# KiCad board Stream.kicad_pcb (continued)
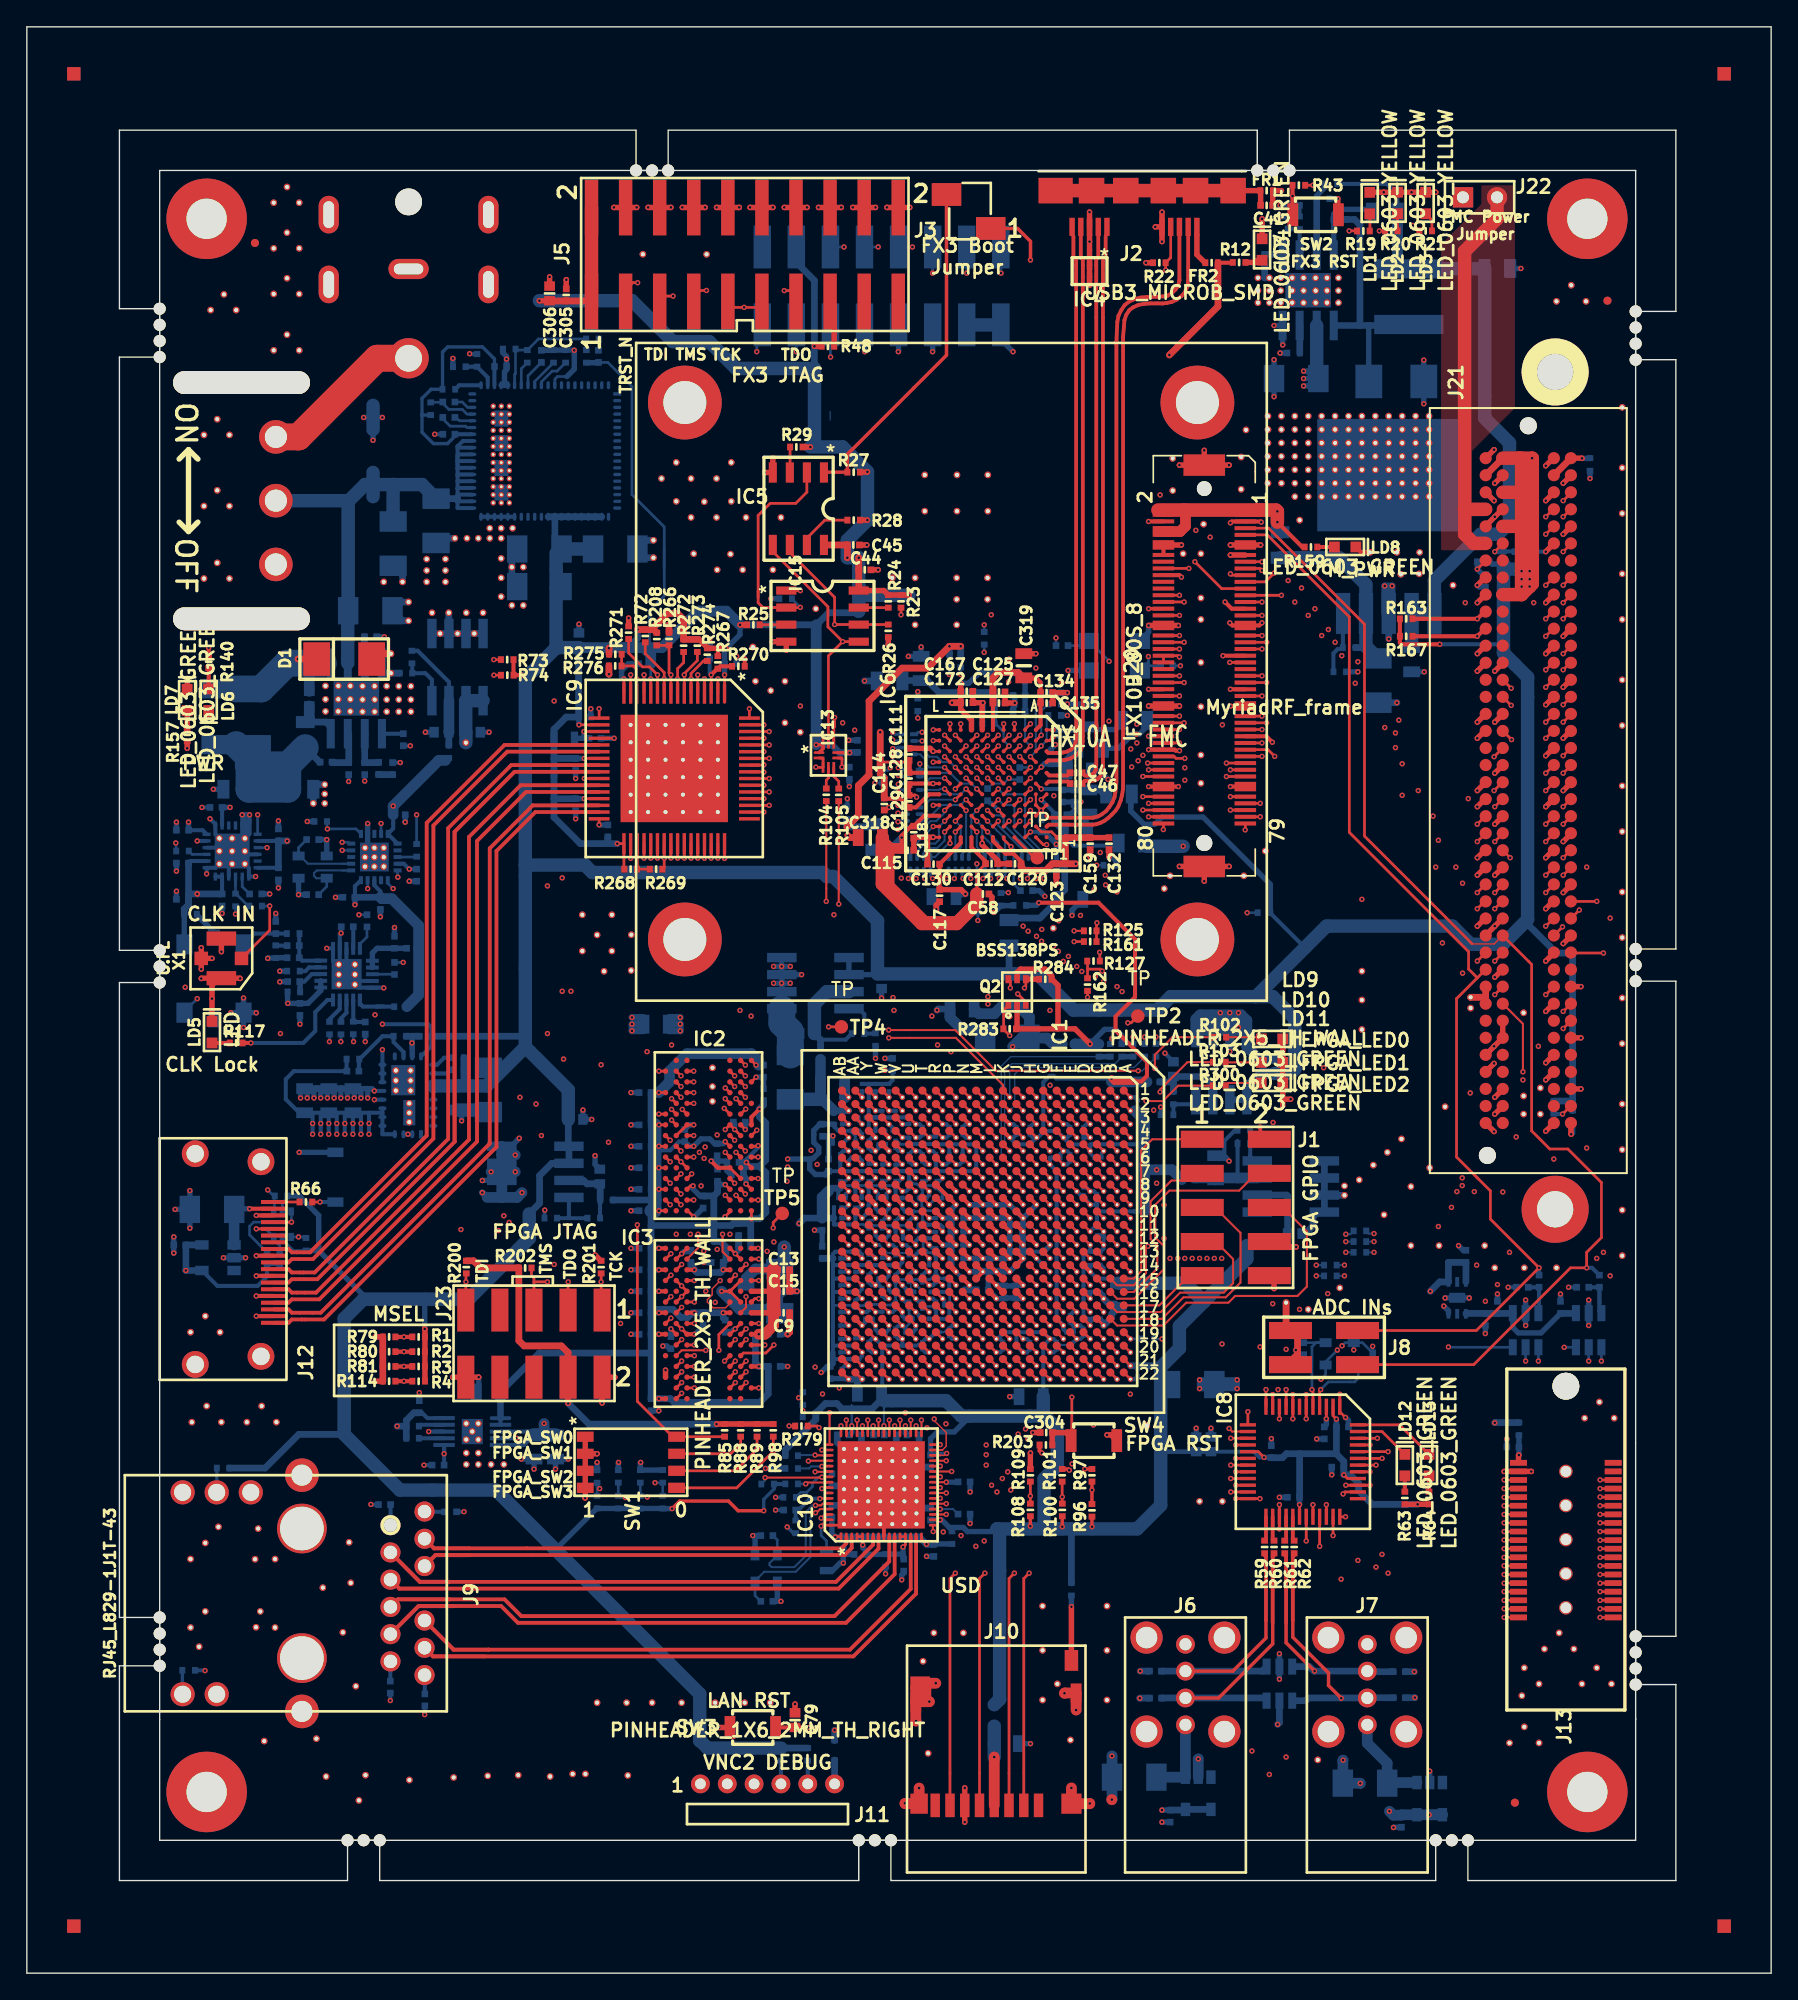
[diagram p0: board, top side]
## Routing (per net, layer and track width the routed paths; a pad name or vN(x,y) marks a point on that pad's centre or on a via; arc(x,y) is an arc through that point) (continued)
VCC: length 93.9
  Inner7.Cu w0.3: SW5.2 23.8,109.7 31.75,117.65 v1(31.75,120.3)
  Inner7.Cu w0.5: J22.1 107.03,129.68 96.15,118.8 v1(95.15,118.8)
  Bottom w0.3: IC22.47 32.15,113.15 32.1,113.1 32.1,112.7 ; 32.1,112.7 32.1,112.65 IC22.46 ; 32.1,112.7 32.1,112.4 ; 32.1,112.7 32.1,113.75 ; 32.1,112.1 32.1,112.15 IC22.45 ; 32.1,112.1 32.1,112.4 ; 32.1,112.1 32.1,111.6 ; 32.1,112.4 32.1,112.55 ; 32.1,111.6 32.1,111.65 IC22.44 ; 32.1,111.6 32.1,111.15 ; 32.1,111.15 32.1,110.6 ; 32.1,111.15 IC22.43 ; 32.1,110.6 32.1,110.65 IC22.42 ; 32.1,110.6 32.1,110.1 ; 32.1,110.1 32.1,110.15 IC22.41 ; 32.1,110.1 32.1,109.7 ; 32.1,109.7 32.1,109.65 IC22.40 ; 32.1,109.7 32.1,109.15 IC22.39 ; 32.1,113.75 32.5,114.15 IC22.49 ; 32.1,113.75 32.1,113.65 IC22.48
  Bottom w0.4: v1(95.15,119.35) 95.4,119.35 95.95,118.8 C155.1 ; v1(95.15,118.25) 95.5,118.25 96.05,118.8 C155.1 ; v1(31.75,120.3) 31.76,120.29 R164.2 ; v1(95.15,118.8) C155.1
  Bottom w0.5: 32.1,109.7 32.1,109.85 C189.2
  Bottom w1: C155.1 96.13,118.92 U7.2 ; C189.2 29.45,110.9 27.3,110.9 ; 27.3,110.9 C188.2 ; 27.3,110.9 25.2,110.9 24,109.7 ; 24,109.7 23.95,109.7 C140.1 23.92,101.47 U3.2 ; 24,109.7 SW5.2
VCC1P2: length 250.6
  Top w0.15: v1(58.75,37.35) 59.6,37.35 59.62,37.38 59.82,37.38 ; IC10.42 v1(63.07,40.78) ; v1(68.07,34.57) IC10.20 ; IC10.36 v1(65.47,40.78) ; IC10.25 v1(68.53,36.57)
  Top w0.2: IC1.G12 IC1.G12 ; IC1.F6 IC1.F6 ; IC1.U6 IC1.U6 ; IC1.E17 IC1.E17
  Top w0.3: IC1.R12 IC1.R12 ; IC1.J12 IC1.J12 ; IC1.L16 IC1.L16 ; IC1.M9 IC1.M9 ; IC1.L14 IC1.L14 IC1.K15 ; IC1.P12 IC1.P12 ; IC1.P9 IC1.P9 IC1.R8 ; IC1.P13 IC1.P13 ; IC1.J10 IC1.J10 ; IC1.J11 IC1.J11 ; IC1.M14 IC1.M14 IC1.M15 ; IC1.R10 IC1.R10 ; IC1.P11 IC1.P11 ; IC1.N9 IC1.N9 ; IC1.J16 IC1.J16 ; IC1.J14 IC1.J13 IC1.J13 ; IC1.K9 IC1.K9 ; IC1.L9 IC1.L9 ; IC1.P10 IC1.P10 ; IC1.N14 IC1.N14 ; IC1.V17 IC1.V17 ; IC1.K14 IC1.K14 ; IC1.H9 IC1.H9
  Top w0.4: IC1.P14 IC1.P14
  Inner7.Cu w0.15: 67.5,36.6 67.5,36.57 v1(68.53,36.57)
  Inner7.Cu w0.25: v1(56.67,33.24) 57.3,32.61 57.3,32.2
  Inner7.Cu w0.3: IC1.P13 IC1.P14 65.75,52.75 ; 65.75,52.75 65.75,49.75 IC1.V17 ; 65.75,52.75 58.32,52.75 58.12,52.55 58.12,52.45 ; IC1.R10 IC1.R10 67,56.75 66.75,57 66.75,59.75 IC1.U6 ; 57.3,38.45 57.3,42.14 57.55,42.39 57.78,42.39 58.5,43.11 58.5,43.09 58.5,43.78 58.12,44.15 58.12,52.45 ; 57.3,38.45 57.3,37.75 ; 57.3,38.45 57.3,38.34 ; 63.1,40.2 63.07,40.2 v1(63.07,40.78) ; 63.1,40.2 65.47,40.2 v1(65.47,40.78) ; 63.1,40.2 59.16,40.2 57.3,38.34 ; 67.5,36.6 67.5,35.15 v1(68.07,34.57) ; 57.3,37.18 57.3,37.15 ; 57.3,37.15 57.3,29.65 58.05,28.9 63.15,28.9 v1(64,29.75) ; 57.3,37.15 57.3,37.35 ; IC1.H9 75.75,57.75 75.75,59.55 75.95,59.75 76.75,59.75 IC1.F6 ; IC1.J16 74.75,49.75 IC1.E17 IC1.E17 ; 57.3,38.34 57.3,37.35 ; 57.3,37.35 v1(58.75,37.35) ; 58.12,52.45 58.12,54.28 55.35,57.05 49.45,57.05 47.15,54.75 30.55,54.75 25.5,59.8 v1(25.5,62.5)
  Inner7.Cu w0.4: IC1.F6 77.27,60.25
  Inner7.Cu w0.5: 28.8,56.5 33.9,61.6 33.9,63.7 40.9,70.7 v1(45.1,70.7)
  Inner7.Cu w1: v1(45.1,70.2) v1(45.1,70.7) v1(45.1,71.2)
  Bottom w0.15: 59.98,37.18 C86.1 59.85,37.35 v1(58.75,37.35) ; C88.1 69.03,34.57 v1(68.07,34.57)
  Bottom w0.25: v1(56.67,33.24) 57.13,32.78 FR12.1
  Bottom w0.3: C248.1 65.97,60.25 IC1.U6 ; C250.1 77.97,49.25 IC1.E17 ; C255.1 77.53,60.25 IC1.F6 ; C260.1 65.25,48.97 IC1.V17 ; C187.1 75.7,53.75 74.85,53.75 74.82,53.78 C229.1 ; IC1.P14 69.78,51.72 C225.1 ; C229.1 74.2,53.8 74.2,53.78 C229.1 ; C229.1 74.25,53.92 IC1.J12 74.2,54.3 C230.1 ; C240.1 70.7,57.25 IC1.N9 ; C239.1 71.7,57.25 IC1.M9 ; C235.1 72.7,57.25 IC1.L9 ; 26.5,64.1 IC23.6 IC23.5 26.5,62.5 IC23.4 ; 26.5,64.1 25.5,64.1 ; 26.5,64.1 IC23.7 ; 24.9,64.1 v1(24.9,63.3) v1(24.9,62.5) ; 25.5,64.1 C205.1 ; 25.5,64.1 v1(25.5,63.3) v1(25.5,62.5) ; 23.7,64.1 v1(23.7,63.3) v1(23.7,62.5) ; C206.1 v1(22.5,63.3) v1(22.5,62.5) ; C206.1 C207.1 20.3,64.1 19.3,65.1 19.3,66.6 19.9,67.2 C184.1 23.83,67.22 R180.1 ; C206.1 C205.1 ; 23.1,64.1 v1(23.1,63.3) v1(23.1,62.5) ; 21.9,64.1 v1(21.9,63.3) v1(21.9,62.5) ; 21.3,64.1 v1(21.3,63.3) v1(21.3,62.5) ; v1(24.3,62.5) v1(24.3,63.3) C205.1 ; v1(64,29.75) FR10.2
  Bottom w0.4: C90.1 69.38,36.57 v1(68.53,36.57) ; C175.1 63.07,40.12 v1(63.07,40.78) ; C104.1 65.47,40.23 v1(65.47,40.78) ; IC1.P9 68.88,56.88 C220.1 ; C228.1 72.8,52.25 IC1.K14 IC1.J13 ; C231.1 74.25,55.8 IC1.J10 ; C226.1 70.7,52.25 IC1.N14 ; C227.1 71.65,52.2 C254.1 72.25,50.3 IC1.L16 72.8,50.25 C244.1 C249.1 73.7,50.25 IC1.J16 ; IC1.P14 68.88,52.62 C224.1 ; C187.1 76.25,54.2 IC1.G12 ; 56.31,52.66 C211.1 ; C211.1 56.39,52.74 ; C211.1 56.11,52.81 56.45,53.15 ; IC1.P12 IC1.R12 ; IC1.R10 IC1.P10 ; IC1.P13 68.88,53.25 ; IC1.J10 IC1.H9 ; IC1.J10 IC1.K9 IC1.N9 ; IC1.P11 68.88,55.25
  Bottom w0.5: C224.1 C223.1 C222.1 C221.1 C220.1 ; IC1.J13 74.2,53.3 C231.1 ; 56.31,52.66 C211.1 ; 53.63,51.78 53.6,51.75 C210.1 ; 45.95,70.2 v1(45.1,70.2) v1(45.1,70.7) FR17.1 ; v1(45.1,71.2) 45.95,71.2 ; C226.1 C228.1
  Bottom w0.8: C211.1 54.31,52.46 53.63,51.78 53.63,51.26
  Bottom w1: 56.45,53.15 v1(56.45,54.1)
VCC1P8: length 157.7
  Top w0.2: IC1.AA6 IC1.AA6 ; IC1.N4 IC1.N4 ; IC1.W11 IC1.W11 ; IC1.W18 IC1.W18 ; IC1.U4 IC1.U4 ; IC1.R4 IC1.R4 ; IC1.W16 IC1.W16 ; IC1.W12 IC1.W12
  Top w0.3: IC1.AB2 IC1.AB2 ; IC1.W9 IC1.W9 ; IC1.AB21 IC1.AB21 ; IC1.W5 IC1.W5 ; IC1.Y14 IC1.Y14 ; IC1.W4 IC1.W4
  Top w0.5: v1(61.12,85.4) 61.97,86.25 61.97,88.48 62.77,89.28 62.77,94.77 65.22,97.22 67.13,97.22 v1(68.76,98.85) v1(69.6,98.85)
  Inner4.Cu w0.3: 63.75,60.75 63.75,57.25 ; 63.75,60.75 62.75,60.75 IC1.AA6 ; 63.75,60.75 IC1.W5 IC1.W4 IC1.W4 63.75,63.55 63.55,63.75 61.75,63.75 IC1.AB2 ; 63.75,57.25 63.75,55.25 ; 63.75,57.25 IC1.W9 ; IC1.W18 IC1.W18 63.75,50.25 ; 63.75,50.25 63.75,52.25 ; 63.75,50.25 IC1.W16 ; 63.75,55.25 63.75,54.25 ; 63.75,55.25 IC1.W11 ; 63.75,54.25 63.75,52.25 ; 63.75,54.25 IC1.W12 ; 63.75,52.25 IC1.Y14
  Inner2.Cu w0.3: 68.25,62.75 IC1.N4 IC1.N4 ; 68.25,62.75 66.25,62.75 ; 68.25,62.75 IC1.R4 ; IC1.W4 64.75,62.75 66.25,62.75 ; 66.25,62.75 IC1.U4
  Inner1.Cu w0.3: IC1.W18 63.75,47.75 63.75,45.95 63.55,45.75 61.75,45.75 IC1.AB21
  Inner1.Cu w0.5: 54.17,73.88 54.17,79.07 60.5,85.4 v1(61.12,85.4)
  Inner1.Cu w1: 56.15,66.1 56.15,67.3 ; 54.15,79.09 54.17,79.07 ; v1(28.5,82.25) 29.5,83.25 ; 58,64.25 IC1.AB2
  Inner1.Cu w2: 58,64.25 56.15,66.1 56.15,71.05 54.15,73.05 54.15,79.09 ; 29.5,83.25 40.8,83.25 42.7,81.35 51.89,81.35 54.15,79.09 ; 54.15,79.09 54.15,79.6 59.75,85.2
  Bottom w0.3: C256.1 69.97,62.25 IC1.N4 ; C261.1 66.53,62.25 IC1.U4 ; C274.1 60.97,64.25 IC1.AB2 ; C285.1 64.25,56.97 IC1.W9 ; C293.1 62.25,60.53 IC1.AA6 ; C233.1 60.97,45.25 IC1.AB21 ; C237.1 64.53,54.25 IC1.W12 ; C242.1 63.97,50.25 IC1.W16 ; C246.1 64.25,47.95 IC1.W18 ; C251.1 62.97,52.25 IC1.Y14 ; IC1.W5 64.03,61.47 C280.1 ; IC1.W4 63.97,62.53 C266.1 ; C270.1 68.53,62.25 IC1.R4 ; C291.1 64.25,54.97 IC1.W11 ; 61.17,85.91 R47.2 ; C102.1 v1(28.5,82.25) 28.1,82.65 IC11.14
  Bottom w0.5: 60,64.25 IC1.AB2 ; v1(68.76,98.85) 68.75,98.84 R45.2 ; 63.2,85.4 63.2,85.4 v1(61.12,85.4) 61.11,85.41 R47.2 ; R44.2 v1(69.6,98.85)
  Bottom w0.8: 60.13,64.25 59.15,65.23 C296.1 R137.2
  Bottom w1: 59.15,65.23 59.02,65.1 C216.1
VCC1P8_SDRAM: length 153.3
  Top w0.2: v1(49.65,58.65) 49.45,58.65 IC2.C7 ; v1(53.62,60.4) 54,60.03 IC2.E1 ; v1(54.5,61.65) 54.45,61.6 IC2.G1 ; IC2.R1 v1(54.35,67.65) ; v1(47.1,65.6) IC2.M9 ; v1(47.1,61.6) IC2.G9 ; v1(47.1,58.4) IC2.C9 ; v1(47.1,60) IC2.E9 ; IC2.G7 v1(49.7,61.6) ; v1(54,56.2) IC2.A1 ; IC2.C3 v1(52.05,58.75) ; IC2.J1 53.9,63.2 ; IC2.C1 v1(53.6,58.8) ; v1(52.05,61.95) IC2.G3 ; v1(47.1,56.8) IC2.A9 ; v1(47.1,63.2) IC2.J9
  Top w0.3: v1(54.6,64.38) 54,63.78 IC2.J1 ; v1(54.55,47.6) IC3.J9 ; IC3.G3 v1(49.75,49.2) ; v1(47.1,49.2) IC3.G1 ; v1(47.1,50.8) IC3.E1 ; v1(47.1,52.4) IC3.C1 ; IC3.G7 v1(51.9,49.2) ; IC3.R1 v1(47.1,42.8) ; v1(47.1,47.6) IC3.J1 ; v1(47.1,54) IC3.A1 ; IC3.C3 v1(49.75,52.4) ; v1(54.55,45.2) IC3.M9 ; IC3.A9 v1(54.5,54) ; IC3.C7 v1(51.9,52.4)
  Top w0.4: C13.1 IC3.C9 ; C9.1 IC3.G9 ; IC3.E9 C15.1
  Top w0.8: v1(54.55,47.6) 55,47.6 55.65,48.25 55.65,49.2
  Top w1: 55.65,49.2 55.65,52.4
  Bottom w0.3: v1(54.5,61.65) 54.5,61.5 53.62,60.62 v1(53.62,60.4) ; 48.92,61.85 C12.1 48.6,61.95 47.95,61.3 46.8,61.3 ; 51.9,48.8 C11.1 ; C28.1 54.05,54 v1(54.5,54) ; IC16.1 IC16.2
  Bottom w0.4: C6.1 50.18,57.9 49.65,58.43 v1(49.65,58.65) ; C12.1 49.38,61.6 v1(49.7,61.6) 50.25,62.15 50.9,62.15 51.25,61.8 C27.1 51.9,61.8 v1(52.05,61.95) ; C21.1 51.73,58.75 v1(52.05,58.75) ; C23.1 53.6,59.25 v1(53.6,58.8) ; v1(47.1,63.2) C14.1 ; C30.1 v1(54.35,67.65) ; 46.53,42.8 C5.1 ; 49.75,52.43 49.5,52.68 C18.1 ; C3.1 v1(47.1,54) ; C7.1 v1(47.1,52.4) ; C22.1 v1(47.1,47.6) ; C25.1 v1(53.62,60.4) ; C10.1 v1(47.1,61.6) ; C2.1 v1(47.1,56.8) ; C17.1 v1(47.1,65.6) ; C8.1 v1(47.1,60) ; C1.1 v1(47.1,50.8) ; C16.1 v1(47.1,49.2) ; v1(51.9,52.4) C26.1 ; C4.1 v1(47.1,58.4)
  Bottom w0.5: 46.8,63.2 46.52,63.48 C17.1 ; 51.2,57.9 51.47,58.18 C21.1 ; 51.2,57.9 C6.1 ; 51.2,57.9 51.2,55.7 ; v1(53.62,60.4) 53.4,60.4 53.4,60.1 ; 53.4,60.1 54.62,60.1 54.72,60 ; 53.4,60.1 C23.1 ; C16.1 C1.1 C7.1 C3.1 46.52,55.7 ; C16.1 C22.1 46.53,46.2 ; C16.1 46.77,49.45 48.15,49.45 48.75,48.85 49.25,48.85 49.6,49.2 v1(49.75,49.2) C196.1 v1(51.9,49.2) 51.9,48.8 ; 46.53,46.2 C5.1 ; 46.53,46.2 38.2,46.2 C166.1 IC16.1 ; C18.1 49.5,52.68 49.75,52.43 v1(49.75,52.4) 49.95,52.2 51.7,52.2 v1(51.9,52.4) C26.1 52.1,53.15 52.1,54.1 51.7,54.5 51.2,54.5 51.2,55.7 ; 51.2,55.7 52.5,55.7 52.65,55.85 C19.1 53.95,55.85 ; 51.2,55.7 46.52,55.7 ; 46.52,55.7 C2.1 ; 53.95,55.85 53.95,56.15 v1(54,56.2) 54.6,56.2 55.08,56.68 55.08,59.64 54.72,60 ; 53.95,55.85 C28.1 ; 54.72,60 54.72,60.22 55.07,60.57 55.07,63.33 ; 55.07,63.33 54.9,63.5 ; 55.07,63.33 54.6,63.8 v1(54.6,64.38) 54.9,64.68 C29.1 ; R155.2 46.8,57.6 ; 46.53,42.8 v1(47.1,42.8) 47.97,42.8 48.25,42.53 54.62,42.53 55.25,43.15 C20.1 v1(54.55,45.2) 54.3,45.45 54.3,47.35 v1(54.55,47.6) C24.1
  Bottom w0.8: v1(47.1,65.6) 47.9,66.4 47.9,67.2 49.2,68.5 54,68.5 54.55,67.95 54.55,67.65
  Bottom w1: C2.1 46.8,56.8 46.8,63.2
VCC2P5: length 277.2
  Top w0.2: v1(60.75,89.85) 60.75,90.45 60.67,90.53 IC13.6 ; IC1.D4 IC1.D4 ; IC1.F4 IC1.F4 ; IC1.H4 IC1.H4
  Top w0.3: v1(75.65,38.75) 75.48,38.92 R203.2 ; v1(75.42,79.75) 79.87,79.75 82.59,77.03 82.59,72.72 81.14,71.27 81.14,70.23 83.48,67.89 83.48,66.85 83.06,66.43 v1(82.51,66.43) ; IC1.K4 IC1.K4
  Top w0.4: v1(40.35,42.45) 40.34,42.47 J23.4 ; R98.2 R89.2 R88.2 R85.2 51.41,40.91 v1(51.4,40.9) ; v1(79.24,69.23) 78.12,70.35 76.85,70.35 ; 76.85,70.35 R283.2 73.8,70.43 Q2.2 ; 76.85,70.35 76.85,73.6 76.4,74.05 R284.2 76.37,74.33 75.9,74.8 74.05,74.8 73.8,74.55 Q2.5 ; R271.1 v1(44.85,100.95)
  Top w0.5: v1(80.84,66.65) 81.06,66.43 v1(82.51,66.43) ; J23.4 40.34,46.24 39.84,46.73 37.06,46.73 36.67,47.12 R202.2 33.82,52.54 33.29,53.07 R200.2
  Inner7.Cu w0.4: v1(80.84,66.65) 81.06,66.43 v1(82.51,66.43)
  Inner7.Cu w0.5: 52.9,37.6 v1(55.05,37.6)
  Inner7.Cu w0.8: v1(82.51,66.43) 82.52,66.44 85.54,66.44 ; v1(80.84,66.65) 80.84,68.39 80,69.23 v1(79.24,69.23)
  Inner7.Cu w1: 85.51,66.44 88.61,66.44 90.67,64.38 90.67,50.07 85.9,45.3 85.9,41.2 83.45,38.75 77.7,38.75 ; v1(51.4,40.9) 51.4,40.5 52.9,39 52.9,29.05 55.4,26.55 72.97,26.55 75.65,29.23 v1(75.65,38.75) 77.7,38.75 ; 77.7,38.75 79.35,38.75
  Inner2.Cu w0.3: IC1.F4 IC1.F4 75.75,62.75 IC1.H4
  Inner2.Cu w0.5: 62.44,92.22 62.44,93.4 ; 62.44,93.4 62.44,96.26 v1(62.43,96.27) ; 62.44,93.4 62.44,89.86 ; 62.44,89.86 62.45,89.85 v1(60.75,89.85) ; 62.44,89.86 62.44,81.22 65.88,77.78 69.16,77.78 71.94,75 74.7,75 77.62,72.08 77.62,69.32 80.51,66.43 v1(82.51,66.43)
  Inner1.Cu w0.5: v1(62.43,96.27) 61.08,96.27 56,101.35 45.25,101.35 v1(44.85,100.95)
  Bottom w0.3: C236.1 77.53,62.25 IC1.F4 ; C245.1 74.97,62.25 IC1.H4 ; C241.1 73.53,62.25 IC1.K4 73.75,61.75 74.75,61.75 IC1.H4 ; IC1.F4 77.76,61.74 78.58,61.74 78.75,61.91 78.75,62.25 ; IC1.F4 76.76,62.74 75.84,62.74 75.75,62.65 ; 75.75,62.65 75.35,62.25 IC1.H4 ; 75.75,62.65 75.75,66.38 76.22,66.85 76.52,66.85 76.72,66.65 v1(80.84,66.65) ; C232.1 78.75,62.25 ; 78.75,62.25 IC1.D4
  Bottom w0.4: 79.25,69.22 v1(79.24,69.23) 80.32,70.31 81.15,70.31 81.6,69.86 R35.1 ; v1(75.42,79.75) 75.22,79.55 R37.1 ; v1(55.05,37.6) R77.1 ; v1(60.75,89.85) C209.1
  Bottom w0.5: 80.83,66.4 80.84,66.41 v1(80.84,66.65) ; 79.25,69.22 v1(79.24,69.23) ; v1(40.35,42.45) 41.9,40.9 v1(51.4,40.9) ; FR19.1 v1(62.43,96.27)
  Bottom w0.8: FR21.1 78.13,69.23 v1(79.24,69.23) ; R36.1 79.25,69.22 ; R139.2 80.83,66.4
VCC3P3: length 944.2
  Top w0.1: v1(68.55,38.72) 68.41,38.57 68.07,38.57
  Top w0.15: IC10.46 v1(61.47,40.78) ; 68.07,38.57 IC10.30 ; IC10.18 v1(68.07,33.78) ; IC10.40 v1(63.88,40.78)
  Top w0.2: v1(97.6,41.28) 97.35,41.53 IC8.2 ; v1(98.15,37.12) 98.43,36.85 IC8.40 ; v1(92.2,38.43) 91.77,38.85 IC8.17 ; 59.23,91.52 IC13.10 ; R268.2 44.5,82.28 IC9.33 v1(44,84.15) ; IC1.Y19 IC1.Y19 ; IC9.23 v1(41.55,90.5) ; v1(95.85,133.2) R43.2 ; IC13.1 59.04,90.98 ; IC1.V19 IC1.V19 ; IC9.29 v1(41.55,87.5) ; IC1.G19 IC1.G19 ; IC9.12 v1(46.5,96.42) ; IC9.18 v1(41.15,93) ; IC1.E19 IC1.E19 ; IC1.T19 IC1.T19 ; IC9.1 v1(52,96.72) ; IC1.P18 IC1.P18 ; IC1.A21 IC1.A21 ; IC1.D16 IC1.D16 ; IC1.J20 IC1.J20 ; IC1.D12 IC1.D12 ; IC1.D18 IC1.D18 ; IC1.L19 IC1.L19 ; IC8.30 v1(94.85,34.9)
  Top w0.25: IC13.1 59.34,91.23 IC13.10 ; v1(79.39,33.26) 79.38,33.27 R96.1 ; v1(48.09,34.61) 48.65,35.17 52.29,35.17 53.01,34.45 v1(54.92,34.45) ; v1(58.83,91.52) 59.23,91.52 ; R100.1 v1(77.17,33.26) ; v1(61.32,90.93) IC13.7 ; R108.1 v1(74.79,33.3)
  Top w0.3: v1(36.9,96.71) 36.89,96.7 R74.2 36.27,96.71 R73.2 ; 51.73,98.7 51.5,98.47 R267.2 ; v1(13.55,98.75) 13.56,98.75 R140.1 ; v1(105.3,99) 102.45,99 102.33,99.12 R167.1 R163.1 ; IC1.D14 IC1.D14 ; R273.2 50.04,99.37
  Top w0.4: R63.1 102.71,34.93 v1(103.65,34.93) 103.66,34.93 R64.1 ; v1(62.65,111.85) 62.62,111.83 R27.1 ; v1(65.75,102.65) 65.73,102.67 R23.1 R24.1 63.86,103 IC15.8 ; 92.6,54.5 93.01,54.1 v1(94.6,54.1) ; v1(52.1,98.69) 52.09,98.7 R274.2 50.71,98.76 50.1,99.37 R273.2 ; v1(58.4,113.7) R29.1 ; v1(38.2,124.6) 38.21,124.59 C306.1 ; v1(29.65,48) 29.67,47.98 R1.1 R2.1 R3.1 R4.1 ; v1(62.65,108.25) R28.1 ; R48.1 v1(58.7,121.2) ; R25.1 v1(53.15,100.45)
  Top w0.5: IC15.8 62,103.01 C44.1 v1(62,105.45) ; 111.38,112.86 111.4,112.85 ; 111.4,102.7 111.39,102.7 ; 111.4,105.25 111.4,105.25 ; R208.2 46.72,100.09 46.54,100.09 ; v1(43.38,98.71) 43.39,98.7 R275.2 ; 46.54,100.09 47.75,101.3 48.5,101.3 48.95,100.85 R272.2 R273.2 ; 46.54,100.09 R72.2 46.08,100.1 v1(45.51,100.1) ; C306.1 38.97,124.58 C305.1 42.04,124.58 J5.1 ; J21.C39 J21.D40 ; v1(61.15,105.45) C45.1 IC5.8
  Top w1: 111.4,112.85 111.4,110.33 ; 111.4,110.33 111.4,107.78 ; 111.4,110.33 J21.D38 ; J21.D32 111.39,102.7 v1(112,103.31) 112.2,103.51 112.2,112.85 v1(112.19,112.86) 111.2,112.86 ; 111.4,107.78 v1(111.4,104.45) v1(111.4,103.85) v1(111.4,103.3) 111.4,102.7 ; 111.4,107.78 J21.D36 ; 111.2,112.86 111.38,112.86 ; 111.2,112.86 J21.D40 ; 112,103.3 v1(112,103.85) v1(112,104.45) ; v1(112,104.45) 112,103.9 ; v1(112,104.45) 112,105.05 ; J5.1 J5.2
  Inner6.Cu w0.3: v1(38.2,124.6) 36.35,122.75 26.15,122.75 23.2,119.8 23.2,100 21.95,98.75 v1(13.55,98.75)
  Inner4.Cu w0.2: v1(95.85,133.2) 98.25,130.8 108.1,130.8 110,128.9 110,115.05 v1(112.19,112.86)
  Inner1.Cu w0.3: v1(26.5,68.8) v1(26.5,70.7)
  Bottom w0.15: 63.88,42.62 63.9,42.65 ; C257.1 68.62,48.03 68.35,47.75 68.1,47.75 ; 66.3,46.75 66.45,46.9 66.62,46.9 C271.1 ; 77.8,46.8 77.05,46.8 76.82,47.03 C284.1 ; 64.49,42.65 64.42,42.65 63.88,42.1 v1(63.88,40.78) ; 61.47,42.05 v1(61.47,40.78) 61.47,42.32
  Bottom w0.2: v1(112.19,112.86) 112.2,112.85 ; Q1.5 19.05,57.4 19.42,57.77 R149.2 ; Q1.2 19.05,54.65 19.87,53.83 R148.2 ; 76.38,37.22 75.88,36.72 75.88,36.67 ; 76.38,37.22 76.38,37.36 ; 76.38,37.22 76.38,37.4 ; 76.38,37.36 76.38,37.4 ; 76.38,37.36 76.38,37.4 ; 47.5,104.7 47.5,106.2 ; 47.5,106.2 47.5,107.75 45.1,110.15 45.1,118.2 43.3,120 C183.1 ; 47.5,106.2 47.5,102.6 46.4,101.5 46.4,98.75 ; v1(46.5,96.42) C70.1
  Bottom w0.25: C87.1 67.47,38.72 v1(68.55,38.72) ; v1(79.39,33.26) 79.39,33.1 ; v1(77.17,33.26) 77.17,33.1 ; v1(74.79,33.3) 74.79,33.1 ; v1(54.92,34.45) 54.92,35.3 55.68,36.06 55.68,36.13 ; 47.39,34.61 R86.1
  Bottom w0.3: C257.1 68.97,48.25 IC1.P18 ; C262.1 64.97,47.25 IC1.V19 65.25,46.75 65.55,46.75 ; C271.1 66.97,47.25 IC1.T19 67.75,47.75 68.1,47.75 ; C279.1 78.53,47.25 IC1.E19 77.75,46.75 ; C284.1 76.53,47.25 IC1.G19 ; C290.1 72.53,47.25 IC1.L19 72.35,47.25 72.85,47.75 73.75,47.75 ; C292.1 74.53,46.25 IC1.J20 IC1.J20 73.75,47.75 ; C234.1 82.55,45.25 IC1.A21 ; 79.25,48.53 C252.1 79,48.75 ; 79.25,48.53 IC1.D18 ; 79.25,48.53 79.22,48.53 79,48.75 ; 84.6,38.85 91.45,38.85 91.88,38.43 v1(92.2,38.43) ; 84.6,38.85 84.5,38.95 ; 84.6,38.85 84.6,38.85 C59.1 C62.1 ; 76.5,33.1 76.45,33.15 76.4,33.15 76.4,33.1 ; IC1.G19 IC1.G19 73.75,47.75 ; IC1.G19 75.75,46.75 C299.1 ; 65.55,46.75 65.75,46.75 66.3,46.75 ; 65.55,46.75 63.75,46.75 ; 78.75,50.25 78.75,50.2 ; 78.75,50.2 78.75,50.7 ; 78.75,50.2 78.75,49.75 78.75,49 79,48.75 ; 78.75,50.7 IC1.D16 79.25,50.75 ; 78.75,50.7 78.75,51.65 ; 65.75,42.65 65.7,42.65 ; IC23.20 IC23.19 ; C199.1 32.6,66.1 32.57,66.1 R166.2 R179.1 ; 39.35,105.9 39.45,105.8 ; C267.1 62.97,47.25 IC1.Y19 63.75,46.75 ; 63.75,46.75 63.75,43.25 C298.1 ; 81.5,71.75 81.55,71.75 ; 95.27,76.43 95.25,76.4 92.67,78.98 R147.2 ; R75.2 56.52,36.44 R84.1 55.68,36.13 ; 38.18,97.48 38.18,97.49 38.19,97.48 ; 37.15,96.45 36.9,96.7 v1(36.9,96.71) ; 78.75,51.65 78.75,51.75 ; 78.75,51.65 IC1.D14 ; 79.25,53.75 79.05,53.75 78.75,53.45 IC1.D14 ; 79.25,53.75 C238.1 ; 79.25,53.75 IC1.D12 ; IC1.D14 79.25,52.75 ; 79.25,52.75 IC1.D14 79.75,51.75 81,51.75 C300.1 ; 79.25,52.75 C243.1 ; 79.25,50.75 IC1.D16 ; 79.25,50.75 C247.1 ; 110.05,98.95 110.05,99 v1(105.3,99) ; IC23.16 30.15,69.07 C200.2 30.15,70.45 29.9,70.7 v1(26.5,70.7) ; IC23.10 IC23.11 IC23.12 v1(26.5,68.8)
  Bottom w0.4: C78.1 41.15,93.55 v1(41.15,93) ; C76.1 67.37,33.78 v1(68.07,33.78) 68.18,33.78 68.75,33.2 ; C89.1 63.88,40.13 v1(63.88,40.78) ; C91.1 61.47,40.28 v1(61.47,40.78) ; 68.75,33.2 68.95,33 FR8.1 ; 68.75,33.2 69.8,33.2 70.1,32.9 72.1,32.9 72.3,33.1 ; C68.1 92.73,38.43 v1(92.2,38.43) ; R197.1 109.19,104.98 R195.1 ; 90.93,54.2 90.95,54.2 90.95,54.12 90.93,54.1 v1(94.6,54.1) ; 76.1,32.8 76.4,33.1 ; v1(111.4,104.45) 111.4,104.6 ; v1(112,103.31) 112,103.3 ; 21.75,53.83 21.75,56.45 20.3,57.9 R149.2 ; 21.75,53.83 25.09,50.49 25.09,50.21 ; 21.75,53.83 R148.2 ; 52,98.57 53.15,99.72 v1(53.15,100.45) ; 52,98.57 C71.1 v1(52,96.72) ; 52,98.57 52,98.59 v1(52.1,98.69) ; 70.3,41.5 69.12,40.32 67.86,40.32 67.35,39.81 C87.1 ; 63.4,74.45 63.34,74.39 IC19.2 IC19.1 62.07,75.66 ; R147.2 92.67,81.12 87.66,86.13 84.6,86.13 84.06,85.59 83.26,85.59 82.27,86.58 82.27,86.85 ; C183.1 42.58,119.98 R175.1 ; 39.4,31.55 42.47,34.62 R94.1 R92.1 R86.1 ; 82.27,86.85 82.27,87.77 FR16.2 ; 82.27,86.85 82.27,87.24 ; v1(48.09,34.61) 47.39,34.61 ; 29.65,50.21 v1(29.65,48) ; v1(94.85,34.9) C67.1 ; C64.1 v1(97.6,41.28) ; v1(41.55,87.5) C75.1 ; v1(41.55,90.5) C74.1
  Bottom w0.5: 39.29,90.5 39.29,89.43 ; 39.29,90.5 C74.1 ; 39.29,90.5 R65.1 39.29,92.67 40.19,93.57 C78.1 41.13,98.75 41.12,98.75 ; 39.29,89.43 39.29,89.11 ; 39.29,89.43 39.29,87.47 ; 43.4,84.15 41.25,84.15 39.29,86.11 39.29,87.47 ; 43.4,84.15 43.3,84.15 C69.1 ; 43.4,84.15 v1(44,84.15) ; 39.29,87.47 39.29,87.5 C75.1 ; 97.6,38.7 97.6,38.67 98.15,38.13 C66.1 v1(98.15,37.12) 98.62,37.12 99.25,36.5 99.25,35.95 100.27,34.93 v1(103.65,34.93) ; 97.6,38.7 94.85,38.7 ; 97.6,38.7 C64.1 ; C68.1 93.58,38.4 93.88,38.7 94.85,38.7 ; 94.85,38.7 C67.1 ; 90.93,65.93 IC20.1 IC20.2 ; 84.5,45.15 84.4,45.25 IC1.A21 ; C199.1 32.57,66.1 R179.1 ; 39.63,60.33 IC21.2 ; IC21.2 IC21.1 40.35,61.65 C150.1 ; IC21.2 39.12,60.33 38.21,59.42 38.21,57.35 37.43,56.57 ; IC22.27 IC22.26 IC22.25 IC22.24 IC22.23 IC22.22 IC22.21 IC22.20 ; IC22.27 IC22.28 ; IC22.27 39.35,105.9 ; 77.9,33.1 77.85,33.1 R129.1 ; 62,101.45 62,101.35 59.75,101.35 58.85,100.45 v1(53.15,100.45) ; 111.85,78.5 111.85,78.15 114,76 115.2,76 115.2,65 ; 115.2,65 115.2,64.97 R78.2 ; 115.2,65 R146.1 ; v1(43.38,98.71) 43.42,98.75 42.65,98.75 ; v1(45.51,100.1) 45.51,99.43 44.83,98.75 44.49,98.75 ; 76.8,38.75 76.82,38.77 76.82,39.28 ; 23.65,40.14 20.27,40.14 17.76,37.63 R83.2 ; C298.1 63.9,42.65 63.6,42.65 63,42.05 60.75,42.05 60.37,42.44 59.51,42.44 58.83,41.75 58.8,41.75 58.8,41.25 56.53,38.98 R76.1 ; 73.45,74.45 73.2,74.7 FR20.1 ; 58.7,114 v1(58.4,113.7) ; J4.3 57.35,127.45 58.7,126.1 v1(58.7,121.2) 58.7,119.55 ; IC14.1 IC14.2 93.89,57.97 93.95,57.9 C259.1 ; v1(58.83,91.52) 59.98,91.52 60.57,90.93 v1(61.32,90.93) 61.34,90.95 C208.1 ; R265.2 R264.2 ; C200.2 37.15,69.8
  Bottom w0.8: 45.97,98.75 46.5,98.23 C70.1 ; 45.97,98.75 C72.1 ; 45.97,98.75 47.33,98.75 50.05,101.47 52.13,101.47 v1(53.15,100.45) ; 90.93,65.93 92.03,67.03 C147.1 ; 23.65,40.14 23.65,40.15 ; 37.44,56.56 37.43,56.57 ; 74.77,41.52 74.75,41.5 ; 58.85,100.45 58.83,100.43 v1(58.83,91.52) ; 32.93,50.21 31.85,50.21 ; 36.57,53.85 36.57,53.87
  Bottom w1: 37.15,82.55 37.15,96.45 39.5,98.8 39.55,98.75 ; 37.15,82.55 37.15,69 ; 37.15,82.55 41.6,82.55 42.15,82 59.33,82 59.63,81.7 60.1,81.7 63.4,78.4 63.4,74.45 75.3,74.45 78,71.75 84.25,71.75 85.25,72.75 91.6,72.75 ; 37.15,69 40.35,65.8 C150.1 ; 37.15,69 34.25,66.1 C199.1 30.3,66.1 ; 39.55,98.75 39.45,98.85 39.45,105.8 ; 39.55,98.75 C72.1 ; 91.6,72.75 92.85,72.75 94.5,71.1 94.5,67.35 94.18,67.03 C147.1 ; 91.6,72.75 96.85,78 106.25,78 107.6,76.65 110,76.65 111.85,78.5 111.85,96.55 110.05,98.35 R195.1 110.05,104.6 111.4,104.6 ; 84.5,39.55 84.5,45.15 85.9,46.55 85.9,48.2 87.72,50.03 ; 84.5,39.55 84.5,38.95 84.55,38.9 ; 84.5,39.55 84.5,34.85 82.75,33.1 75.81,33.1 ; 75.81,33.1 75.81,36.83 76.8,37.82 76.8,40.55 75.85,41.5 ; 75.81,33.1 72.3,33.1 72.5,32.9 72.5,20.4 L1.2 ; 75.85,41.5 69.65,41.5 68.5,42.65 63.9,42.65 ; 75.85,41.5 75.75,41.6 C299.1 ; 87.72,50.03 90.93,53.22 90.93,54.2 ; 87.72,50.03 86.35,51.4 C300.1 ; 62,101.45 62,103.22 ; 23.65,40.14 27.8,35.99 34.96,35.99 50.15,20.8 50.15,17.35 ; 36.57,53.85 32.93,50.21 25.09,50.21 23.65,48.77 23.65,40.15 ; 36.57,53.87 37.44,54.74 37.44,56.56 ; 50.15,17.3 50.15,17.35 ; 50.15,17.35 50.73,16.77 R264.2 ; 62,103.22 62.57,102.65 v1(65.75,102.65) ; 62,103.22 v1(62,105.45) v1(61.15,105.45) 61.15,106.75 v1(62.65,108.25) v1(62.65,111.85) 60.8,113.7 v1(58.4,113.7) ; 58.7,114 58.7,119.55 52.85,119.55 50.85,121.55 48.15,121.55 45.1,124.6 v1(38.2,124.6) ; C201.2 42.2,106.1
VCC3P3_CLK: length 109.2
  Top w0.4: R157.1 v1(11.95,91.25)
  Inner2.Cu w0.3: v1(12.05,85.75) 11.95,85.85 v1(11.95,91.25)
  Inner2.Cu w0.8: v1(12.7,80.4) 12.4,80.7 12.4,82.35 11.9,82.85 11.9,84.95 12.05,85.1 C107.1 ; C107.1 13.85,85.15 15.15,86.45 v1(15.15,86.85) 15.6,87.3 18.8,87.3 19.7,86.4 19.7,84.35 ; C107.1 v1(12.05,85.75) ; 19.7,84.35 v1(19.4,84.35) ; 19.7,84.35 20.6,84.35 ; v1(27.3,86.95) 25.1,86.95 24.3,86.15 22.15,86.15 21.65,85.65 21.65,85.4 21.45,85.2 21.45,84.7 21.1,84.35 20.6,84.35 ; 20.6,84.35 20.65,84.35 ; 20.9,79.4 20.9,73.7 v1(19.45,72.25) ; 21.6,78.9 23.5,78.9 24.2,79.6 v1(24.45,79.6)
  Inner2.Cu w2: v1(19.45,72.25) 20.9,73.7 20.9,78.2 21.6,78.9 21.6,82.5 19.75,84.35 v1(19.4,84.35)
  Bottom w0.2: 31.2,90.35 31.38,90.53 R113.2 ; C103.1 v1(27.3,86.95)
  Bottom w0.3: C106.1 12.2,82.85 IC12.2 ; IC12.6 13.1,85.15 C107.1 ; C101.1 26.35,80.6 25.9,81.05 IC11.18 ; IC11.20 24.45,80.97 C100.1 ; IC12.8 C108.1 ; IC12.18 C110.1 ; IC12.24 IC12.23 C105.1 ; U2.16 U2.17 ; IC12.14 C109.1 ; C103.1 27.3,85.65 27.3,85.28 IC11.10 IC11.11
  Bottom w0.4: XO5.5 11.73,76.66 R118.2 ; C107.1 v1(12.05,85.75) ; R116.1 19.43,72.27 v1(19.45,72.25) C98.1 20.95,72.25 21.9,73.2 U2.17 ; C100.1 v1(24.45,79.6) ; v1(15.15,86.85) C108.1
  Bottom w0.5: 12.05,80.4 C93.1 12.05,79.6 11.73,79.28 R118.2 ; 12.05,80.4 v1(12.7,80.4) C105.1 ; 12.05,80.4 C106.1 ; v1(19.4,84.35) C109.1 C110.1 ; C100.1 C101.1
  Bottom w0.8: R120.1 29.2,72.88 FB1.2 29.2,78.05 27.2,80.05 26.45,80.05 C101.1 ; 31.2,90.35 30.7,90.35 v1(27.3,86.95) C103.1
VCC5: length 272.8
  Inner7.Cu w0.4: 93.2,14.5 93.2,15.5
  Inner7.Cu w0.5: v1(93.22,18.53) 93.2,18.51 93.2,12.15 ; GND_VIA#375.1 21.35,86.55 21.65,86.25 21.65,80.85 14.75,73.95 14.75,72.5 14.05,71.8 14.05,70.35 14.9,69.5 14.9,56.4 11.85,53.35 v1(11.85,52.35) 13,51.2 18.25,51.2 21.3,48.15 21.3,45.5 26.05,40.75 v1(27.6,40.75) ; GND_VIA#372.1 GND_VIA#374.1 GND_VIA#373.1 ; 59.25,17.2 60.15,18.1 v1(60.2,18.1)
  Inner7.Cu w1: 107.05,38.7 107.05,37.2 ; 107.05,37.2 107.05,13.95 105.25,12.15 v1(84.6,12.15) ; 107.05,37.2 107.05,41 ; v1(27.6,40.75) 27.6,36.2 32.7,36.2 34.5,34.4 34.5,20.75 38.05,17.2 59.25,17.2 64.85,11.6 67.15,11.6 68.05,12.5 77.35,12.5 78.25,11.6 81,11.6 81.55,12.15 83.2,12.15 ; 83.2,12.15 83.25,12.15 ; 83.2,12.15 v1(84.6,12.15) ; v1(84.6,12.15) 84.9,12.15 ; 107.05,41 107.05,41.45 104.6,43.9 v1(104.6,50.8) ; 107.05,41 v1(109.4,41)
  Inner7.Cu w2: GND_VIA#396.1 29.75,88.7 27.05,88.7 25.5,87.15 GND_VIA#372.1
  Bottom w0.3: C151.1 29.45,41.75 29.85,41.35 IC16.10 ; U6.4 14.2,51.2 17.2,51.2 17.9,51.9 R69.1 R68.1
  Bottom w0.4: v1(84.6,12.15) C49.1
  Bottom w0.5: v1(109.4,41) 109.42,41.02 R58.1 ; C151.1 28.85,41.75 28.28,41.18 R142.1 ; v1(93.22,18.53) 93.35,18.66 IC7.5 ; U6.5 C198.1 v1(11.85,52.35) U6.4 ; U8.6 C169.1 106,52.95 105.95,52.95 U8.4 105.94,51.5 105.3,51.5 v1(104.6,50.8) ; v1(27.6,40.75) R142.1 ; R142.1 R141.1 ; C49.1 86.3,12.15 U4.5 U4.4 ; D6.1 v1(60.2,18.1) ; GND_VIA#375.1 21.35,88.2 R145.1 21.7,88.55 GND_VIA#373.1